# Altium PCB SEEED ORDER ALARM INTERFACE 100mm x 150mm.PcbDoc (part 2 of 2) (continued)
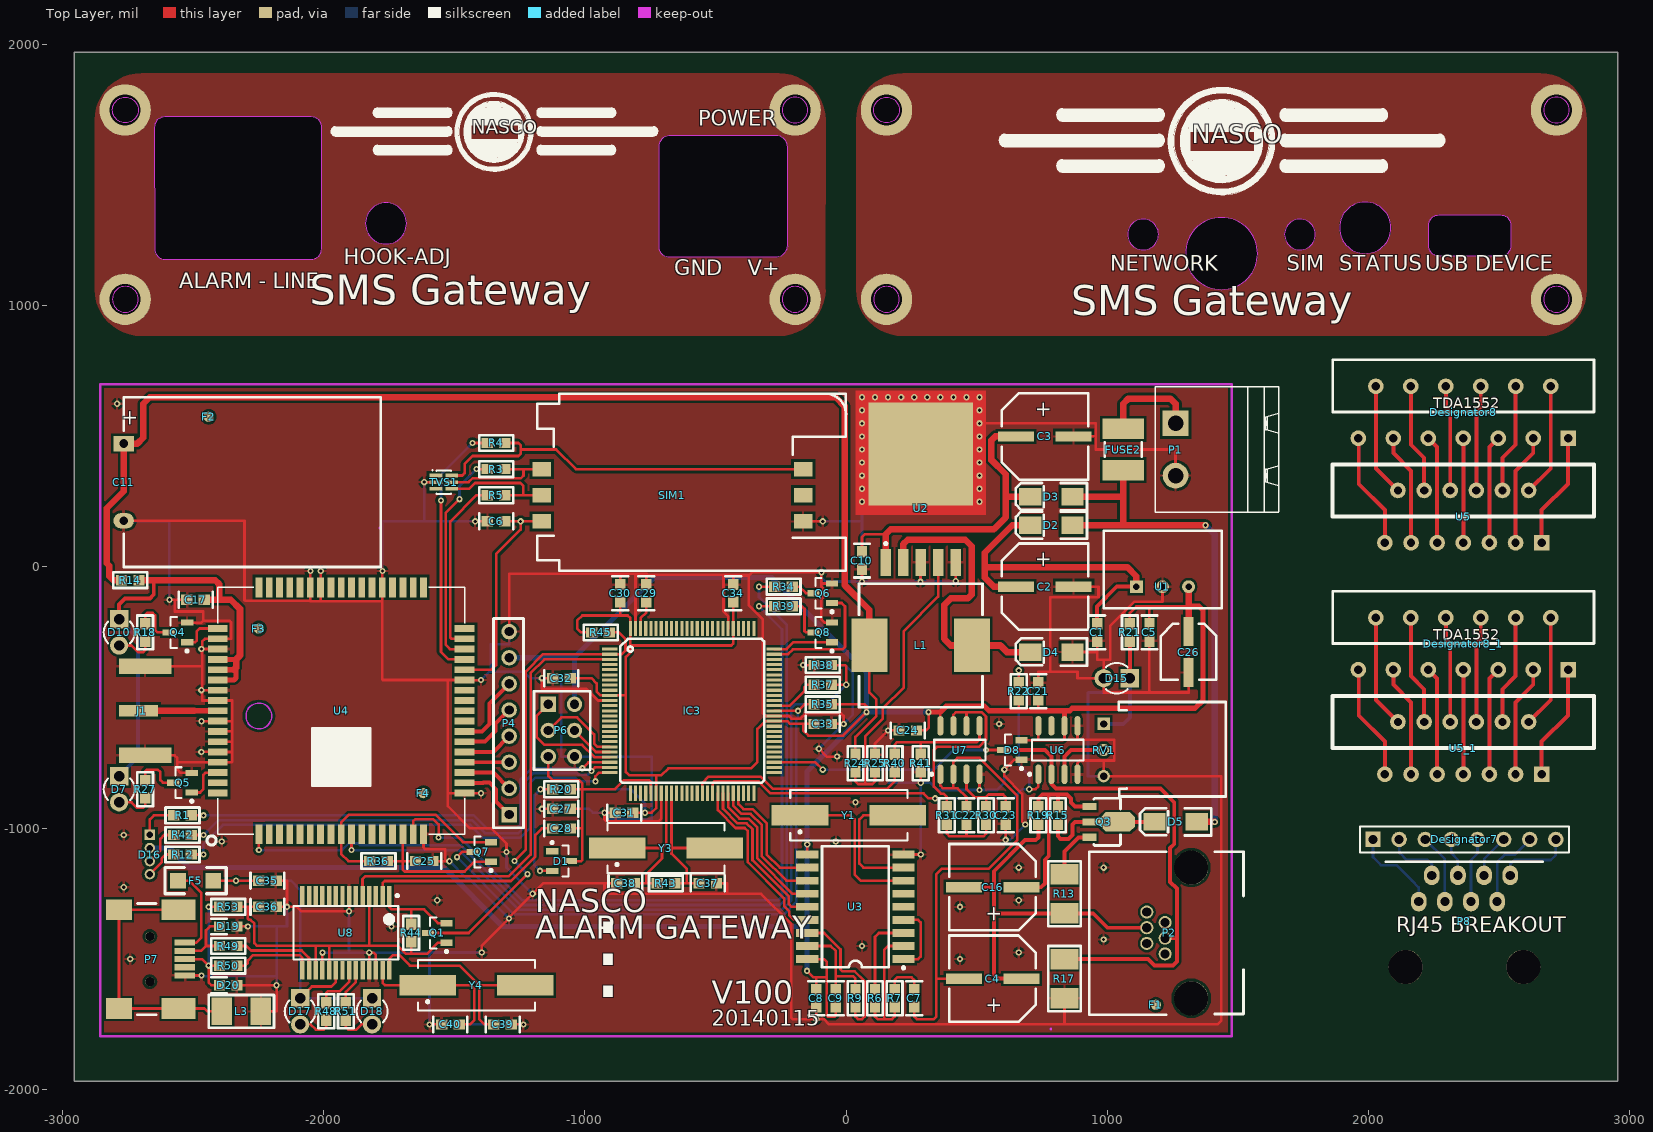
[diagram p0: Top Layer view]
## Nets (pads, with @x,y where several pads share a name; then routed paths per layer and width w, separated by ;. In a path a pad name is that pad's centre, name@x,y a point inside that pad or via, vN(x,y) a via of type N, cw(c..) or ccw(c..) an arc to the next point about the centre after c; other vN are vias at no path point) (continued)
  Top Layer w10: R50.2@-2330.51,-1526.18 -2298.98,-1526.18 -2288.98,-1516.18 -2288.98,-1506.18 -2268.98,-1486.18 -2090.31,-1486.18 -2080.31,-1496.18 U8.15@-2080.31,-1543.9
NetU3_1: U3.1 U3.4 | length 270.2
  Top Layer w10: U3.1@220.08,-1501.18 276.02,-1501.18 286.02,-1491.18 286.02,-1361.18 276.02,-1351.18 U3.4@220.08,-1351.18
NetU3_7: U3.7 Y1.1 | length 623.8
  Top Layer w10: Y1.1@-175.98,-951.18 18.02,-951.18 33.02,-966.18 33.02,-1178.18 56.02,-1201.18 U3.7@220.08,-1201.18
NetU3_8: U3.8 Y1.2 | length 498.5
  Top Layer w10: Y1.2@198.03,-951.18 66.02,-951.18 51.02,-966.18 51.02,-1136.18 66.02,-1151.18 U3.8@220.08,-1151.18
O\F\F\H\O\O\K\: IC3.42 R22.1 U6.1 | length 1898.7
  Top Layer w10: IC3.42@-510.24,-866.14 -510.24,-827.44 -503.98,-821.18 -333.98,-821.18 -287.98,-867.18 297.02,-867.18 316.02,-886.18 v1(341.02,-886.18) ; R22.1@661.02,-442.72 v1(661.02,-396.18) ; v1(701.02,-851.18) 726.02,-851.18 736.02,-841.18 U6.1@736.02,-793.7
  Bottom Layer w10: v1(341.02,-886.18) 641.02,-886.18 676.02,-851.18 v1(701.02,-851.18) 701.02,-796.18 661.02,-756.18 v1(661.02,-396.18)
PL2303_RXD: IC3.3 U8.5 | length 1764.1
  Top Layer w10: U8.5@-1850,-1258.46 -1850,-1195.21 -1838.98,-1184.18 -1289.98,-1184.18 -1206.98,-1101.18 -1206.98,-407.33 -1153.98,-354.33 IC3.3@-903.94,-354.33
PL2303_TXD: IC3.2 Q1.3 R45.1 | length 1819.4
  Top Layer w10: Q1.3@-1599.41,-1401.18 -1443.98,-1401.18 v1(-1218.98,-1176.18) ; v1(-1268.98,-1126.18) -1224.98,-1082.18 -1224.98,-399.88 -1159.74,-334.64 IC3.2@-903.94,-334.64 -857.44,-334.64 -843.98,-321.18 -843.98,-276.18 -868.98,-251.18 R45.1@-905.51,-251.18
  Bottom Layer w10: v1(-1268.98,-1126.18) v1(-1218.98,-1176.18)
R1: D16.1 R1.2 | length 157.8
  Top Layer w10: D16.1@-2663.98,-1026.18 -2663.98,-966.18 -2648.98,-951.18 R1.2@-2572.44,-951.18
R\E\S\E\T\: C27.2 C28.2 D1.3 IC3.30 P6.5 R20.1 | length 1012.7
  Top Layer w10: P6.5@-1138.98,-726.18 -1138.98,-801.18 -1123.98,-816.18 -1021.48,-816.18 -1008.98,-828.68 -1008.98,-851.18 ; C28.2@-1055.51,-1001.18 -1013.98,-1001.18 ; C27.2@-1055.51,-926.18 -1008.98,-926.18 ; R20.1@-1055.51,-851.18 -1008.98,-851.18 ; D1.3@-1053.54,-1126.18 -1013.98,-1126.18 -1008.98,-1121.18 -1008.98,-926.18 ; IC3.30@-746.46,-866.14 -746.46,-823.7 -753.98,-816.18 -848.98,-816.18 -883.98,-851.18 -1008.98,-851.18 ; -1008.98,-926.18 -1008.98,-851.18
RED: IC3.23 R1.1 | length 1828.2
  Top Layer w10: R1.1@-2505.51,-951.18 v1(-2458.98,-951.18) ; v1(-1008.98,-771.18) -985.83,-748.03 IC3.23@-903.94,-748.03
  Bottom Layer w10: v1(-2458.98,-951.18) -1423.98,-951.18 -1373.98,-1001.18 -1261.48,-1001.18 -1246.45,-986.15 -1246.45,-813.65 -1203.98,-771.18 v1(-1008.98,-771.18)
REF: RV1.2 U6.3 | length 227.9
  Top Layer w15: U6.3@836.02,-793.7 836.02,-726.18 861.02,-701.18 RV1.2@986.02,-701.18
RF_ANT: J1.1 U4.60 | length 302.6
  Top Layer w20: -2493.98,-551.18 U4.60@-2404.27,-551.18
  Top Layer w25: J1.1@-2706.83,-551.18 -2493.98,-551.18
RING(-): D8.3 IC3.53 P2.4 R17.2 U6.2 | length 2835.7
  Top Layer w10: IC3.53@-274.01,-748.03 -117.13,-748.03 v1(-88.98,-776.18) ; v1(536.02,-701.18) D8.3@600.59,-701.18
  Top Layer w15: D8.3@600.59,-701.18 761.02,-701.18 786.02,-726.18 U6.2@786.02,-793.7 786.02,-831.18 803.02,-848.18 1203.02,-848.18 1256.02,-901.18 1256.02,-1060.68 1240.52,-1076.18 1240.52,-1205.68 1266.02,-1231.18 1266.02,-1421.18 ; R17.2@836.02,-1501.17 1156.02,-1501.17 1181.02,-1526.18 1251.02,-1526.18 1266.02,-1511.18 1266.02,-1421.18 ; P2.4@1221.02,-1421.18 1266.02,-1421.18
  Bottom Layer w10: v1(-88.98,-776.18) 336.02,-776.18 411.02,-701.18 v1(536.02,-701.18)
RXLED: R48.1 U8.22 | length 186.5
  Top Layer w10: R48.1@-1988.98,-1667.72 -1988.98,-1631.18 -1981.98,-1624.18 -1936.98,-1624.18 -1901.18,-1588.39 U8.22@-1901.18,-1543.9
SCK: IC3.20 P6.3 | length 323.1
  Top Layer w10: P6.3@-1138.98,-626.18 -1088.98,-576.18 -1028.83,-576.18 -963.98,-641.04 -963.98,-676.18 -951.19,-688.97 IC3.20@-903.94,-688.97
SIM900_NETLIGHT: Q4.1 U4.52 | length 159.3
  Top Layer w10: Q4.1@-2521.4,-288.58 -2491.38,-288.58 -2483.98,-281.18 -2483.98,-246.18 -2473.98,-236.18 -2459.06,-236.18 ; -2459.02,-236.22 U4.52@-2404.27,-236.22
SIM900_P\W\R\: IC3.74 Q6.1 | length 491.6
  Top Layer w10: IC3.74@-274.01,-334.64 -221.98,-334.64 -203.52,-316.18 -13.98,-316.18 -3.98,-306.18 -3.98,-151.18 -16.57,-138.58 Q6.1@-53.54,-138.58
SIM900_R\E\S\E\T\: IC3.75 Q8.1 | length 231.4
  Top Layer w10: IC3.75@-274.01,-314.96 -227.76,-314.96 -201.38,-288.58 Q8.1@-53.54,-288.58
SIM900_RXD: IC3.64 R37.1 | length 193.4
  Top Layer w10: IC3.64@-274.01,-531.49 -214.74,-531.49 -158.98,-475.73 -158.98,-461.18 -148.98,-451.18 R37.1@-122.44,-451.18
SIM900_STATUS: Q5.1 U4.66 | length 163
  Top Layer w10: Q5.1@-2503.54,-863.58 -2471.38,-863.58 -2458.98,-851.18 -2458.98,-796.18 -2450.2,-787.4 U4.66@-2404.27,-787.4
SIM900_TXD: IC3.63 Q7.3 R35.1 | length 2373.1
  Top Layer w10: v1(-1488.98,-1111.18) -1468.98,-1091.18 Q7.3@-1429.41,-1091.18 ; IC3.63@-274.01,-551.18 v1(-183.98,-551.18) -158.98,-526.18 R35.1@-122.44,-526.18
  Bottom Layer w10: v1(-1488.98,-1111.18) -1269.98,-1330.18 -237.52,-1330.18 -190.98,-1283.64 -190.98,-671.18 -190.98,-586.18 -183.98,-579.18 v1(-183.98,-551.18)
SIM_CLK: R3.1 U4.32 | length 842
  Top Layer w10: v1(-1478.98,258.82) -1531.98,205.82 -1531.98,-298.18 -1515.2,-314.96 U4.32@-1459.38,-314.96 ; v1(-1413.98,373.82) R3.1@-1372.44,373.82
  Bottom Layer w10: v1(-1478.98,258.82) -1478.98,308.82 v1(-1413.98,373.82)
SIM_DATA: R4.1 U4.31 | length 1008.3
  Top Layer w10: v1(-1549.98,253.82) -1549.98,-325.18 -1520.83,-354.33 U4.31@-1459.38,-354.33 ; v1(-1428.98,473.82) R4.1@-1372.44,473.82
  Bottom Layer w10: v1(-1549.98,253.82) -1549.98,352.82 v1(-1428.98,473.82)
SIM_RST: R5.1 U4.33 | length 684.4
  Top Layer w10: U4.33@-1459.38,-275.59 -1509.57,-275.59 -1513.98,-271.18 -1513.98,173.82 -1413.98,273.82 R5.1@-1372.44,273.82
SIM_VDD: C6.1 SIM1.C1 U4.30 | length 858.1
  Top Layer w10: U4.30@-1459.38,-393.7 -1356.5,-393.7 -1338.98,-376.18 -1338.98,48.82 -1245.14,142.65 v1(-1245.14,173.82) ; C6.1@-1305.51,173.82 v1(-1245.14,173.82) ; SIM1.C1@-1163.98,173.82 v1(-1245.14,173.82)
SPK_N: P4.4 U4.22 | length 195.5
  Top Layer w15: U4.22@-1459.38,-708.66 -1349.61,-708.66 P4.4@-1288.98,-648.03
SPK_P: P4.3 U4.21 | length 170.4
  Top Layer w15: U4.21@-1459.38,-748.03 P4.3@-1288.98,-748.03
STD: IC3.43 U3.15 | length 677.1
  Top Layer w10: IC3.43@-490.55,-866.14 -490.55,-931.43 -422.3,-999.68 -387.48,-999.68 -375.98,-1011.18 -375.98,-1130.09 -236.98,-1269.09 -236.98,-1298.64 -216.43,-1319.18 -216.43,-1333.64 -198.89,-1351.18 U3.15@-148.03,-1351.18
TIP(+): C4.1 C16.2 P2.3 R13.1 R19.1 | length 1507.5
  Top Layer w15: C16.2@450.79,-1226.18 561.02,-1226.18 566.02,-1221.18 ; C4.1@671.26,-1576.18 581.02,-1576.18 566.02,-1561.18 566.02,-1326.18 ; R19.1@736.02,-984.65 736.02,-1036.18 726.02,-1046.18 685.01,-1046.18 566.02,-1165.17 566.02,-1221.18 ; P2.3@1151.02,-1381.18 1001.02,-1381.18 946.02,-1326.18 R13.1@836.02,-1326.18 566.02,-1326.18 ; 566.02,-1326.18 566.02,-1221.18
TONE: IC3.40 R40.1 | length 851.9
  Top Layer w10: IC3.40@-549.61,-866.14 -549.61,-826.81 -525.98,-803.18 -326.52,-803.18 -280.52,-849.18 158.02,-849.18 186.02,-821.18 R40.1@186.02,-784.65
TXLED: R51.1 U8.23 | length 139.7
  Top Layer w10: R51.1@-1913.98,-1667.72 -1913.98,-1626.64 -1875.59,-1588.25 U8.23@-1875.59,-1543.9
USB+: D20.2 P7.3 R50.1 R53.2 | length 520.2
  Top Layer w10: P7.3@-2530.12,-1501.18 -2463.98,-1501.18 v1(-2438.98,-1526.18) ; v1(-2438.98,-1301.18) R53.2@-2397.44,-1301.18 ; D20.2@-2397.44,-1601.18 -2428.98,-1601.18 -2438.98,-1591.18 v1(-2438.98,-1526.18) ; R50.1@-2397.44,-1526.18 v1(-2438.98,-1526.18)
  Bottom Layer w10: v1(-2438.98,-1526.18) v1(-2438.98,-1301.18)
USB-: D19.2 P7.2 R49.1 | length 258.1
  Top Layer w10: P7.2@-2530.12,-1469.69 -2467.48,-1469.69 -2448.98,-1451.18 ; R49.1@-2397.44,-1451.18 -2448.98,-1451.18 ; D19.2@-2397.44,-1376.18 -2433.98,-1376.18 -2448.98,-1391.18 -2448.98,-1451.18
USB_5V: C35.1 D17.1 D18.1 F5.2 U8.20 | length 1331.1
  Top Layer w10: F5.2@-2421.48,-1201.18 v1(-2333.98,-1201.18) C35.1@-2247.44,-1201.18 ; D17.1@-2088.69,-1651.12 -2043.75,-1606.18 -1968.98,-1606.18 -1952.36,-1589.57 U8.20@-1952.36,-1543.9
  Bottom Layer w10: v1(-2333.98,-1201.18) -2123.98,-1201.18 -2088.69,-1236.47 D17.1@-2088.69,-1651.12 D18.1@-1813.69,-1651.12
V+: D2.1 D3.1 D5.1 FUSE2.2 | length 2127.8
  Top Layer w25: D2.1@867.02,158.82 1061.02,158.82 ; D3.1@867.02,268.82 1056.02,268.82 ; FUSE2.2@1061.02,370.08 1061.02,158.82 ; D5.1@1342.02,-976.18 v1(1411.02,-976.18) ; v1(1376.02,158.82) 1061.02,158.82
  Bottom Layer w25: v1(1376.02,158.82) 1411.02,123.82 v1(1411.02,-976.18)
V+1: C3.1 C10.1 D3.2 U2.1 | length 1258.7
  Top Layer w10: C10.1@61.02,57.28 61.02,113.82 72.17,124.96 152.17,124.96
  Top Layer w25: U2.1@152.17,16.14 152.17,124.96 171.02,143.82 566.02,143.82 611.02,188.82 611.02,268.82 ; C3.1@650.79,498.82 571.02,498.82 556.57,484.36 556.57,408.28 611.02,353.82 611.02,268.82 ; D3.2@705.02,268.82 611.02,268.82
V+2: C1.1 C2.1 D2.2 U1.1 | length 1328.9
  Top Layer w15: C1.1@961.02,-217.72 961.02,-151.18 1036.02,-76.18 U1.1@1111.02,-76.18
  Top Layer w25: C2.1@650.79,-76.18 566.02,-76.18 531.02,-41.18 531.02,-1.18 ; D2.2@705.02,158.82 636.02,158.82 531.02,53.82 531.02,-1.18 ; U1.1@1111.02,-76.18 1111.02,-36.18 1076.02,-1.18 531.02,-1.18
V_LINE: D5.2 Q3.2 R15.2 | length 470
  Top Layer w15: R15.2@811.02,-984.65 811.02,-1031.18 821.02,-1041.18 851.02,-1041.18 866.02,-1026.18 866.02,-986.18 876.02,-976.18 Q3.2@1040.65,-976.18 D5.2@1180.02,-976.18
VBAT: C17.1 D7.1 D10.1 R14.2 U4.55 U4.56 U4.57 | length 1923.8
  Top Layer w15: D10.1@-2781.55,-201.12 -2781.55,-143.75 -2758.98,-121.18 -2663.98,-121.18 -2648.98,-106.18 -2648.98,-51.18
  Top Layer w20: U4.57@-2404.27,-433.07 -2342.13,-433.07 -2333.98,-424.92 -2333.98,-385.55 ; U4.56@-2404.27,-393.7 -2342.13,-393.7 ; U4.55@-2404.27,-354.33 -2342.13,-354.33
  Top Layer w25: R14.2@-2705.51,-51.18 -2648.98,-51.18 -2413.98,-51.18 -2398.98,-66.18 -2398.98,-126.18 ; C17.1@-2455.51,-126.18 -2398.98,-126.18 ; -2342.13,-393.7 -2333.98,-385.55 -2333.98,-354.33 -2318.98,-339.33 -2318.98,-161.18 -2353.98,-126.18 -2398.98,-126.18
  Bottom Layer w15: D7.1@-2781.55,-801.12 -2708.98,-728.55 -2708.98,-273.69 D10.1@-2781.55,-201.12
VCC: 
VCOMP: 
VDD_EXT: C25.1 Q7.1 R36.2 U4.15 | length 599.4
  Top Layer w10: R36.2@-1755.51,-1126.18 -1695.6,-1126.18 ; U4.15@-1695.6,-1023.63 -1695.6,-1126.18 ; C25.1@-1647.44,-1126.18 -1695.6,-1126.18 ; Q7.1@-1358.54,-1128.58 -1421.38,-1128.58 -1458.98,-1166.18 -1688.98,-1166.18 -1695.6,-1159.55 -1695.6,-1126.18
VIN: FUSE2.1 P1.1 | length 387.8
  Top Layer w25: FUSE2.1@1061.02,527.56 1061.02,623.82 1081.02,643.82 1241.02,643.82 1261.02,623.82 P1.1@1261.02,548.82
XTAL1: C37.1 IC3.34 R43.2 Y3.2 | length 604.8
  Top Layer w10: R43.2@-667.72,-1211.18 -667.72,-1217.44 R43.2@-658.98,-1226.18 ; -667.72,-1076.18 Y3.2@-543.98,-1076.18 ; IC3.34@-667.72,-866.14 -667.72,-1076.18 -667.72,-1097.44 -608.98,-1156.18 -608.98,-1211.18 ; R43.2@-655.51,-1211.18 -608.98,-1211.18 ; C37.1@-562.44,-1211.18 -608.98,-1211.18
XTAL2: C38.1 IC3.33 R43.1 Y3.1 | length 636.8
  Top Layer w10: Y3.1@-875.98,-1076.18 -728.98,-1076.18 ; C38.1@-810.51,-1211.18 -763.98,-1211.18 ; -728.98,-1076.18 -703.98,-1076.18 ; R43.1@-722.44,-1211.18 -763.98,-1211.18 ; IC3.33@-687.4,-866.14 -687.4,-1059.6 -703.98,-1076.18 ; -763.98,-1211.18 -763.98,-1176.18 -703.98,-1116.18 -703.98,-1076.18
pads on no net: D1.1 Designator7.1 Designator7.2 Designator7.3 Designator7.4 Designator7.5 Designator7.6 Designator7.7 Designator7.8 Designator8.1 Designator8.2 Designator8.3 Designator8.4 Designator8.5 Designator8.6 Designator8.7 Designator8.8 Designator8.9 Designator8.10 Designator8.11 Designator8.12 Designator8.13 Designator8_1.1 Designator8_1.2 Designator8_1.3 Designator8_1.4 Designator8_1.5 Designator8_1.6 Designator8_1.7 Designator8_1.8 Designator8_1.9 Designator8_1.10 Designator8_1.11 Designator8_1.12 Designator8_1.13 F1.0 F2.0 F3.0 F4.0 IC3.1 IC3.4 IC3.5 IC3.6 IC3.7 IC3.8 IC3.9 IC3.12 IC3.13 IC3.14 IC3.15 IC3.16 IC3.17 IC3.18 IC3.19 IC3.26 IC3.27 IC3.28 IC3.29 IC3.35 IC3.36 IC3.37 IC3.38 IC3.39 IC3.41 IC3.48 IC3.49 IC3.50 IC3.51 IC3.52 IC3.54 IC3.55 IC3.56 IC3.57 IC3.58 IC3.59 IC3.60 IC3.65 IC3.66 IC3.67 IC3.68 IC3.69 IC3.70 IC3.71 IC3.72 IC3.73 IC3.76 IC3.77 IC3.78 IC3.79 IC3.82 IC3.83 IC3.84 IC3.85 IC3.86 IC3.87 IC3.88 IC3.89 IC3.90 IC3.91 IC3.92 IC3.93 IC3.94 IC3.95 IC3.96 IC3.97 P2.0 P2.1 P2.2 P2.5 P2.6 P7.4 P7.MT P8.0 P8.1 P8.2 P8.3 P8.4 P8.5 P8.6 P8.7 P8.8 SIM1.C6 TVS1.1 TVS1.3 U3.5 U3.6 U4.2 U4.3 U4.4 U4.5 U4.6 U4.7 U4.8 U4.11 U4.12 U4.13 U4.14 U4.25 U4.26 U4.27 U4.28 U4.34 U4.35 U4.36 U4.37 U4.38 U4.40 U4.41 U4.42 U4.43 U4.44 U4.47 U4.48 U4.49 U4.50 U4.51 U4.67 U4.68 U5.1 U5.2 U5.3 U5.4 U5.5 U5.6 U5.7 U5.8 U5.9 U5.10 U5.11 U5.12 U5.13 U5_1.1 U5_1.2 U5_1.3 U5_1.4 U5_1.5 U5_1.6 U5_1.7 U5_1.8 U5_1.9 U5_1.10 U5_1.11 U5_1.12 U5_1.13 U6.7 U8.3 U8.6 U8.8 U8.9 U8.10 U8.11 U8.12 U8.13 U8.14 U8.21 U8.24
copper on no net: | length 26097
  Top Layer w15: 1962.2,-393.7 1962.2,-568.7 2062.2,-668.7 2062.2,-793.7 ; 1962.2,492.13 1962.2,317.13 2062.2,217.13 2062.2,92.13 ; 2027.56,-195.28 2027.56,-509.06 2112.2,-593.7 ; 2027.56,690.55 2027.56,376.77 2112.2,292.13 ; 2094.49,-393.7 2094.49,-450.98 2162.2,-518.7 2162.2,-793.7 ; 2094.49,492.13 2094.49,434.84 2162.2,367.13 2162.2,92.13 ; 2161.42,-392.91 2161.42,-195.28 ; 2161.42,492.91 2161.42,690.55 ; 2162.2,-368.7 2162.2,-418.7 ; 2162.2,-193.7 2162.2,-418.7 ; 2162.2,517.13 2162.2,467.13 ; 2162.2,692.13 2162.2,467.13 ; 2212.2,-593.7 2212.2,-468.7 2162.2,-418.7 ; 2212.2,292.13 2212.2,417.13 2162.2,467.13 ; 2228.35,-393.7 2262.2,-427.56 2262.2,-793.7 ; 2228.35,492.13 2262.2,458.27 2262.2,92.13 ; 2295.28,-195.28 2295.28,-276.77 2312.2,-293.7 2312.2,-593.7 ; 2295.28,690.55 2295.28,609.06 2312.2,592.13 2312.2,292.13 ; 2362.2,-793.7 2362.2,-393.7 ; 2362.2,92.13 2362.2,492.13 ; 2412.2,-593.7 2412.2,-293.7 2429.13,-276.77 2429.13,-195.28 ; 2412.2,292.13 2412.2,592.13 2429.13,609.06 2429.13,690.55 ; 2462.2,-793.7 2462.2,-427.56 2496.06,-393.7 ; 2462.2,92.13 2462.2,458.27 2496.06,492.13 ; 2512.2,-593.7 2512.2,-468.7 2562.2,-418.7 ; 2512.2,292.13 2512.2,417.13 2562.2,467.13 ; 2562.2,-793.7 2562.2,-518.7 2629.92,-450.98 2629.92,-393.7 ; 2562.2,-368.7 2562.2,-418.7 ; 2562.2,-193.7 2562.2,-418.7 ; 2562.2,92.13 2562.2,367.13 2629.92,434.84 2629.92,492.13 ; 2562.2,517.13 2562.2,467.13 ; 2562.2,692.13 2562.2,467.13 ; 2562.99,-392.91 2562.99,-195.28 ; 2562.99,492.91 2562.99,690.55 ; 2612.2,-593.7 2696.85,-509.06 2696.85,-195.28 ; 2612.2,292.13 2696.85,376.77 2696.85,690.55 ; 2662.2,-793.7 2662.2,-668.7 2762.2,-568.7 2762.2,-393.7 ; 2662.2,92.13 2662.2,217.13 2762.2,317.13 2762.2,492.13
  Bottom Layer w10: 2016.54,-1102.36 2016.54,-1111.02 ; 2016.54,-1043.31 2016.54,-1111.02 ; 2116.54,-1043.31 2116.54,-1092.91 2121.26,-1097.64 2145.67,-1122.05 2224.41,-1122.05 2244.09,-1141.73 2241.67,-1144.16 2241.67,-1181.1 ; 2191.67,-1281.1 2191.67,-1227.1 2165.35,-1200.79 2106.3,-1141.73 2047.24,-1141.73 2016.54,-1111.02 ; 2216.54,-1043.31 2291.67,-1118.44 2291.67,-1281.1 ; 2322.83,-1049.61 2316.54,-1043.31 ; 2341.67,-1181.1 2341.67,-1121.2 ; 2391.67,-1281.1 2391.67,-1122.05 2416.54,-1097.18 2416.54,-1043.31 2416.54,-1087.4 ; 2441.67,-1181.1 2441.67,-1118.17 2516.54,-1043.31 ; 2491.67,-1281.1 2491.67,-1130.38 2519.68,-1102.36 2559.06,-1102.36 2618.11,-1043.31 ; 2541.67,-1181.1 2541.67,-1139.43 2559.06,-1122.05 2696.85,-1122.05 2716.54,-1102.36 2716.54,-1043.31 ; 2316.54,-1096.06 2341.67,-1121.2 ; 2316.54,-1096.06 2316.54,-1043.31 ; 2316.54,-1096.06 2322.83,-1102.36 2341.67,-1121.2 ; 2316.54,-1096.06 2316.54,-1043.31
  Bottom Layer w15: 1962.2,-393.7 1962.2,-568.7 2062.2,-668.7 2062.2,-793.7 ; 1962.2,492.13 1962.2,317.13 2062.2,217.13 2062.2,92.13 ; 2027.56,-195.28 2027.56,-509.06 2112.2,-593.7 ; 2027.56,690.55 2027.56,376.77 2112.2,292.13 ; 2094.49,-393.7 2094.49,-450.98 2162.2,-518.7 2162.2,-793.7 ; 2094.49,492.13 2094.49,434.84 2162.2,367.13 2162.2,92.13 ; 2161.42,-392.91 2161.42,-195.28 ; 2161.42,492.91 2161.42,690.55 ; 2162.2,-368.7 2162.2,-418.7 ; 2162.2,-193.7 2162.2,-418.7 ; 2162.2,517.13 2162.2,467.13 ; 2162.2,692.13 2162.2,467.13 ; 2212.2,-593.7 2212.2,-468.7 2162.2,-418.7 ; 2212.2,292.13 2212.2,417.13 2162.2,467.13 ; 2228.35,-393.7 2262.2,-427.56 2262.2,-793.7 ; 2228.35,492.13 2262.2,458.27 2262.2,92.13 ; 2295.28,-195.28 2295.28,-276.77 2312.2,-293.7 2312.2,-593.7 ; 2295.28,690.55 2295.28,609.06 2312.2,592.13 2312.2,292.13 ; 2362.2,-793.7 2362.2,-393.7 ; 2362.2,92.13 2362.2,492.13 ; 2412.2,-593.7 2412.2,-293.7 2429.13,-276.77 2429.13,-195.28 ; 2412.2,292.13 2412.2,592.13 2429.13,609.06 2429.13,690.55 ; 2462.2,-793.7 2462.2,-427.56 2496.06,-393.7 ; 2462.2,92.13 2462.2,458.27 2496.06,492.13 ; 2512.2,-593.7 2512.2,-468.7 2562.2,-418.7 ; 2512.2,292.13 2512.2,417.13 2562.2,467.13 ; 2562.2,-793.7 2562.2,-518.7 2629.92,-450.98 2629.92,-393.7 ; 2562.2,-368.7 2562.2,-418.7 ; 2562.2,-193.7 2562.2,-418.7 ; 2562.2,92.13 2562.2,367.13 2629.92,434.84 2629.92,492.13 ; 2562.2,517.13 2562.2,467.13 ; 2562.2,692.13 2562.2,467.13 ; 2562.99,-392.91 2562.99,-195.28 ; 2562.99,492.91 2562.99,690.55 ; 2612.2,-593.7 2696.85,-509.06 2696.85,-195.28 ; 2612.2,292.13 2696.85,376.77 2696.85,690.55 ; 2662.2,-793.7 2662.2,-668.7 2762.2,-568.7 2762.2,-393.7 ; 2662.2,92.13 2662.2,217.13 2762.2,317.13 2762.2,492.13

## Polygon pours and split planes (outlines as drawn)
no net on Top Layer "Top Layer-No Net" (solid, pour order 4): 39.37,1061.02 ccw(c216.54,1061.02) 216.54,883.86 2657.48,883.86 ccw(c2657.48,1061.02) 2834.65,1061.02 2834.65,1710.63 ccw(c2657.48,1710.63) 2657.48,1887.8 216.54,1887.8 ccw(c216.54,1710.63) 39.37,1710.63
no net on Top Layer "Top Layer-No Net" (solid, pour order 4): -2874.02,1061.02 ccw(c-2696.85,1061.02) -2696.85,883.86 -255.91,883.86 ccw(c-255.91,1061.02) -78.74,1061.02 -78.74,1710.63 ccw(c-255.91,1710.63) -255.91,1887.8 -2696.85,1887.8 ccw(c-2696.85,1710.63) -2874.02,1710.63
GND on Top Layer "GND" (solid, remove dead copper, pour order 2): -2859.35,-1796.5 ccw(c-2854.33,-1796.65) -2854.33,-1801.66 1476.37,-1801.66 ccw(c1476.37,-1796.65) 1481.39,-1796.65 1481.39,698.65 ccw(c1476.38,698.82) 1481.39,698.82 ccw(c1476.38,698.82) 1476.38,703.83 -2854.33,703.83 ccw(c-2854.33,698.82) -2859.35,698.82
no net on Bottom Layer "Top Layer-No Net" (solid, pour order 4): 39.37,1061.02 ccw(c216.54,1061.02) 216.54,883.86 2657.48,883.86 ccw(c2657.48,1061.02) 2834.65,1061.02 2834.65,1710.63 ccw(c2657.48,1710.63) 2657.48,1887.8 216.54,1887.8 ccw(c216.54,1710.63) 39.37,1710.63
no net on Bottom Layer "Top Layer-No Net" (solid, pour order 4): -2874.02,1061.02 ccw(c-2696.85,1061.02) -2696.85,883.86 -255.91,883.86 ccw(c-255.91,1061.02) -78.74,1061.02 -78.74,1710.63 ccw(c-255.91,1710.63) -255.91,1887.8 -2696.85,1887.8 ccw(c-2696.85,1710.63) -2874.02,1710.63
GND on Bottom Layer "GND" (solid, remove dead copper, pour order 3): -2859.35,-1796.5 ccw(c-2854.33,-1796.65) -2854.33,-1801.66 1476.37,-1801.66 ccw(c1476.37,-1796.65) 1481.39,-1796.65 1481.39,698.65 ccw(c1476.38,698.82) 1481.39,698.82 ccw(c1476.38,698.82) 1476.38,703.83 -2854.33,703.83 ccw(c-2854.33,698.82) -2859.35,698.82

## Keep-outs
Keep-Out Layer:
  lines w10: -2854.33,-1796.65 1476.37,-1796.65 1476.37,698.82 ; -2854.33,-1796.65 -2854.33,698.82 1476.38,698.82 ; 1476.37,698.82 1476.38,698.82 ; -1783.72,148.26 -1783.72,148.26 ; 783.26,-1768.72 783.26,-1768.72

## Silkscreen, mask and mechanical layers (free items; w line width, h text height)
Top Overlay:
  drawing of 80 lines, arcs and shapes, not listed
  text "POWER" at -565.38,1669.1 h100
  text "NASCO" at -1431.18,1639.42 h89.48
  text "NASCO" at 1322.26,1595 h122.01
  text "HOOK-ADJ" at -1921.38,1138.98 h100
  text "NETWORK" at 1012.01,1113.98 h100
  text "SIM" at 1687.01,1113.98 h100
  text "STATUS" at 1887.01,1113.98 h100
  text "USB DEVICE" at 2217.01,1113.98 h100
  text "GND" at -656.38,1097.05 h100
  text "V+" at -376.38,1097.05 h100
  text "ALARM - LINE" at -2551.38,1047.05 h100
  text "SMS Gateway" at -2051.38,963.98 h196.85
  text "SMS Gateway" at 862.01,924.61 h196.85
  text "NASCO" at -1188.98,-1351.18 h150
  text "RJ45 BREAKOUT" at 2106.3,-1417.32 h100
  text "ALARM GATEWAY" at -1188.98,-1451.18 h150
  text "⋮" at -1088.98,-1701.18 h450
  text "V100" at -513.98,-1701.18 h150
  text "20140115" at -513.98,-1776.18 h100
Bottom Overlay:
  drawing of 40 lines, arcs and shapes, not listed
  text "http://ludzinc.blogspot.com.au" at -315.23,556.14 h180
  text "⋮" at -1688.98,173.82 h1500 r90
  text "SA" at -1027.75,21.81 h132.76
  text "BY" at -777.4,21.81 h132.76
Mechanical 1:
  circle w10: c155.51,1748.03 r49.21
  circle w10: c2718.5,1023.62 r49.21
  circle w10: c2718.5,1748.03 r49.21
  circle w10: c155.51,1023.62 r49.21
  circle w10: c1987.01,1297.24 r98.43
  circle w10: c1137.01,1271.65 r59.06
  circle w10: c1737.01,1271.65 r59.06
  circle w10: c1437.01,1198.69 r137.8
  circle w10: c-1760.24,1313.98 r78.74
  circle w10: c-2757.87,1023.62 r49.21
  circle w10: c-194.88,1748.03 r49.21
  circle w10: c-194.88,1023.62 r49.21
  circle w10: c-2757.87,1748.03 r49.21
  lines w10: -2646.38,1216.42 -2646.38,1682.05 cw(c-2607.01,1682.05) -2607.01,1721.42 -2326.38,1721.42 -2045.75,1721.42 cw(c-2045.75,1682.05) -2006.38,1682.05 -2006.38,1216.42 ; -2645.75,1216.42 ccw(c-2606.38,1216.42) -2606.38,1177.05 -2326.38,1177.05 -2046.38,1177.05 ccw(c-2046.38,1216.42) -2007.01,1216.42 ; -710.38,1454.1 -710.38,1606.1 ; -710.38,1484.1 -710.38,1224.1 ccw(c-675.38,1224.1) -675.38,1189.1 -270.38,1189.1 ccw(c-270.38,1229.1) -230.38,1229.1 -230.38,1484.1 ; -710.38,1607.1 cw(c-671.01,1607.1) -671.01,1646.47 ; -669.94,1646.54 -430.38,1646.54 -268.38,1646.54 ; -269.75,1646.47 cw(c-269.75,1607.1) -230.38,1607.1 ; -230.38,1426.1 -230.38,1606.1 -230.38,1454.1 ; 1957.48,-1800 1957.48,-1840 ; 1957.48,-1633.86 1957.48,-984.25 2764.57,-984.25 ; 1957.48,-1570 1957.48,-1840 ; 1968.5,-984.25 2775.59,-984.25 2775.59,-1633.86 2775.59,-1840 1957.48,-1840 ; -2854.33,-1870.08 -2854.33,-1870.08 ; -2854.33,-1870.08 -2854.33,-1870.08 ; -2854.33,-1870.08 1476.38,-1870.08 ; -2854.33,-1870.08 -2854.33,-746.18 ; -2854.33,-1870.08 -2854.33,-746.18 ; -2854.33,-1870.08 -2854.33,-1870.08 ; -2854.33,-1870.08 1476.38,-1870.08 ; -2854.33,-746.18 -2791.28,-746.18 ; -2854.33,-746.18 -2854.33,-746.18 ; -2854.33,-746.18 -2791.28,-746.18 ; -2854.33,-351.18 -2791.28,-351.18 ; -2854.33,-351.18 -2854.33,767.72 ; -2854.33,-351.18 -2854.33,767.72 ; -2854.33,-351.18 -2791.28,-351.18 ; -2854.33,767.72 1476.38,767.72 ; -2854.33,767.72 1476.38,767.72 ; -2791.28,-746.18 ccw(c-2791.28,-706.81) -2751.91,-706.81 -2751.91,-390.55 ccw(c-2791.28,-390.55) -2791.28,-351.18 ; 1476.38,-1870.08 1476.38,-1870.08 ; 1476.38,-1870.08 1476.38,-1870.08 ; 1476.38,-1870.08 1476.38,767.72 ; 1476.38,-1870.08 1476.38,767.72 ; 1476.38,767.72 1476.38,767.72 ; -2874.02,1061.02 ccw(c-2696.85,1061.02) -2696.85,883.86 -255.91,883.86 ccw(c-255.91,1061.02) -78.74,1061.02 -78.74,1710.63 ccw(c-255.91,1710.63) -255.91,1887.8 -2696.85,1887.8 ccw(c-2696.85,1710.63) -2874.02,1710.63 -2874.02,1061.02 ; -688.98,767.72 -688.98,767.72 ; 39.37,1061.02 ccw(c216.54,1061.02) 216.54,883.86 2657.48,883.86 ccw(c2657.48,1061.02) 2834.65,1061.02 2834.65,1710.63 ccw(c2657.48,1710.63) 2657.48,1887.8 216.54,1887.8 ccw(c216.54,1710.63) 39.37,1710.63 39.37,1061.02 ; 1862.2,-718.7 2012.2,-868.7 2712.2,-868.7 2862.2,-718.7 2862.2,-693.7 2862.2,-93.7 1862.2,-93.7 1862.2,-693.7 1862.2,-718.7 ; 1862.2,167.13 2012.2,17.13 2712.2,17.13 2862.2,167.13 2862.2,192.13 2862.2,792.13 1862.2,792.13 1862.2,192.13 1862.2,167.13 ; 2229.53,1228.35 ccw(c2268.9,1228.35) 2268.9,1188.98 2387.01,1188.98 2505.12,1188.98 ccw(c2505.12,1228.35) 2544.49,1228.35 2544.49,1307.09 ccw(c2505.12,1307.09) 2505.12,1346.46 2465.75,1346.46 2387.01,1346.46 2308.27,1346.46 2268.9,1346.46 ccw(c2268.9,1307.09) 2229.53,1307.09 2229.53,1228.35
Mechanical 2:
  drawing of 151 lines, arcs and shapes, not listed
Mechanical 3:
  lines w10: -2988.98,-851.12 -2781.55,-851.12 ; -2988.98,-551.18 -2688.98,-551.18 ; -2988.98,-251.18 -2781.55,-251.18 ; -2781.55,-901.12 -2781.55,-801.12 ; -2781.55,-301.12 -2781.55,-201.12 ; -2663.98,-1587.8 -2663.98,-1414.57 ; -1761.38,1223.98 -1761.38,1313.98 ; 1086.95,1451.13 1186.95,1451.13 ; 1137.01,1243.7 1137.01,1451.13 ; 1437.01,1181.1 1437.01,1198.82 ; 1437.01,1243.7 1437.01,1543.7 ; 1686.95,1451.13 1786.95,1451.13 ; 1736.95,1451.13 1736.95,1243.7 1737.01,1243.7 ; 1962.01,1568.7 2012.01,1568.7 ; 1987.01,1243.7 1987.01,1568.7 ; -2988.98,-1101.18 -2663.98,-1101.18 -2988.98,-1101.18 ; -2663.98,-1126.18 -2663.98,-1076.18 -2663.98,-1126.18
Mechanical 8:
  the board outline again, w10

## Text inside footprints (layer, text, board x,y; h text height)
C2: Top Overlay "+" at 731.5,60.63 h59.06 r270
C3: Top Overlay "+" at 731.5,635.63 h59.06 r270
C4: Top Overlay "+" at 590.55,-1712.99 h59.06 r90
C11: Top Overlay "+" at -2763.46,535.7 h59.06 r270
C16: Top Overlay "+" at 590.55,-1362.99 h59.06 r90